# Altium PCB PCB1.PcbDoc
Units mm, origin at the board's own origin, x right, y up, seen from the top; angles counter-clockwise.
Board outline 75.44 x 70.87 mm, 4 copper layers (Top Layer, Int1 (GND), Int2 (PWR), Bottom Layer), stack 1.586 mm thick; 90 components, 79 nets, 310 pads, 55 vias.
Unrouted connection lines stored in the file: 141.
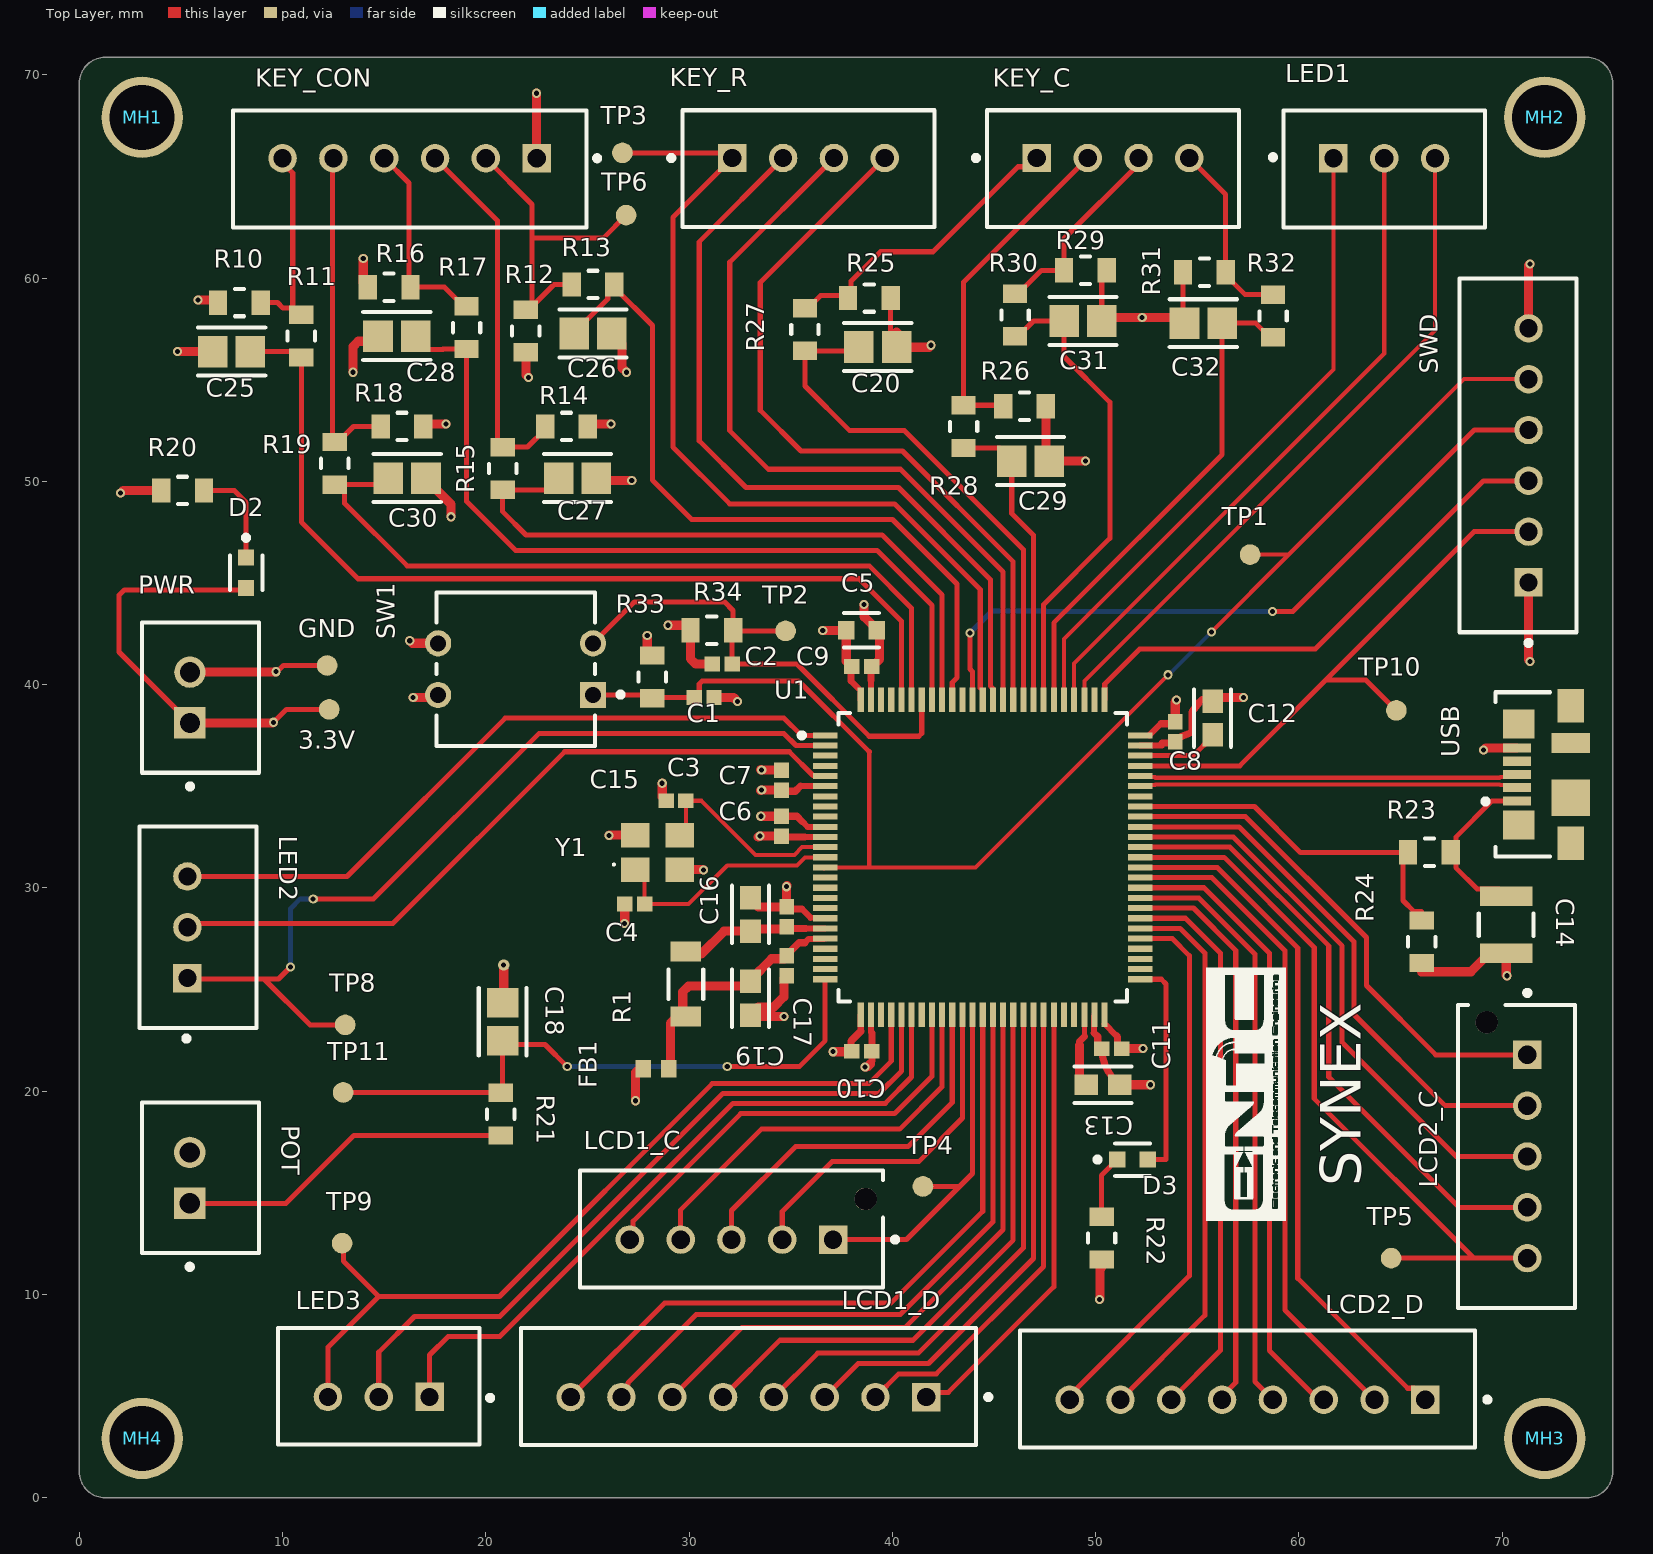
[diagram p0: Top Layer view]
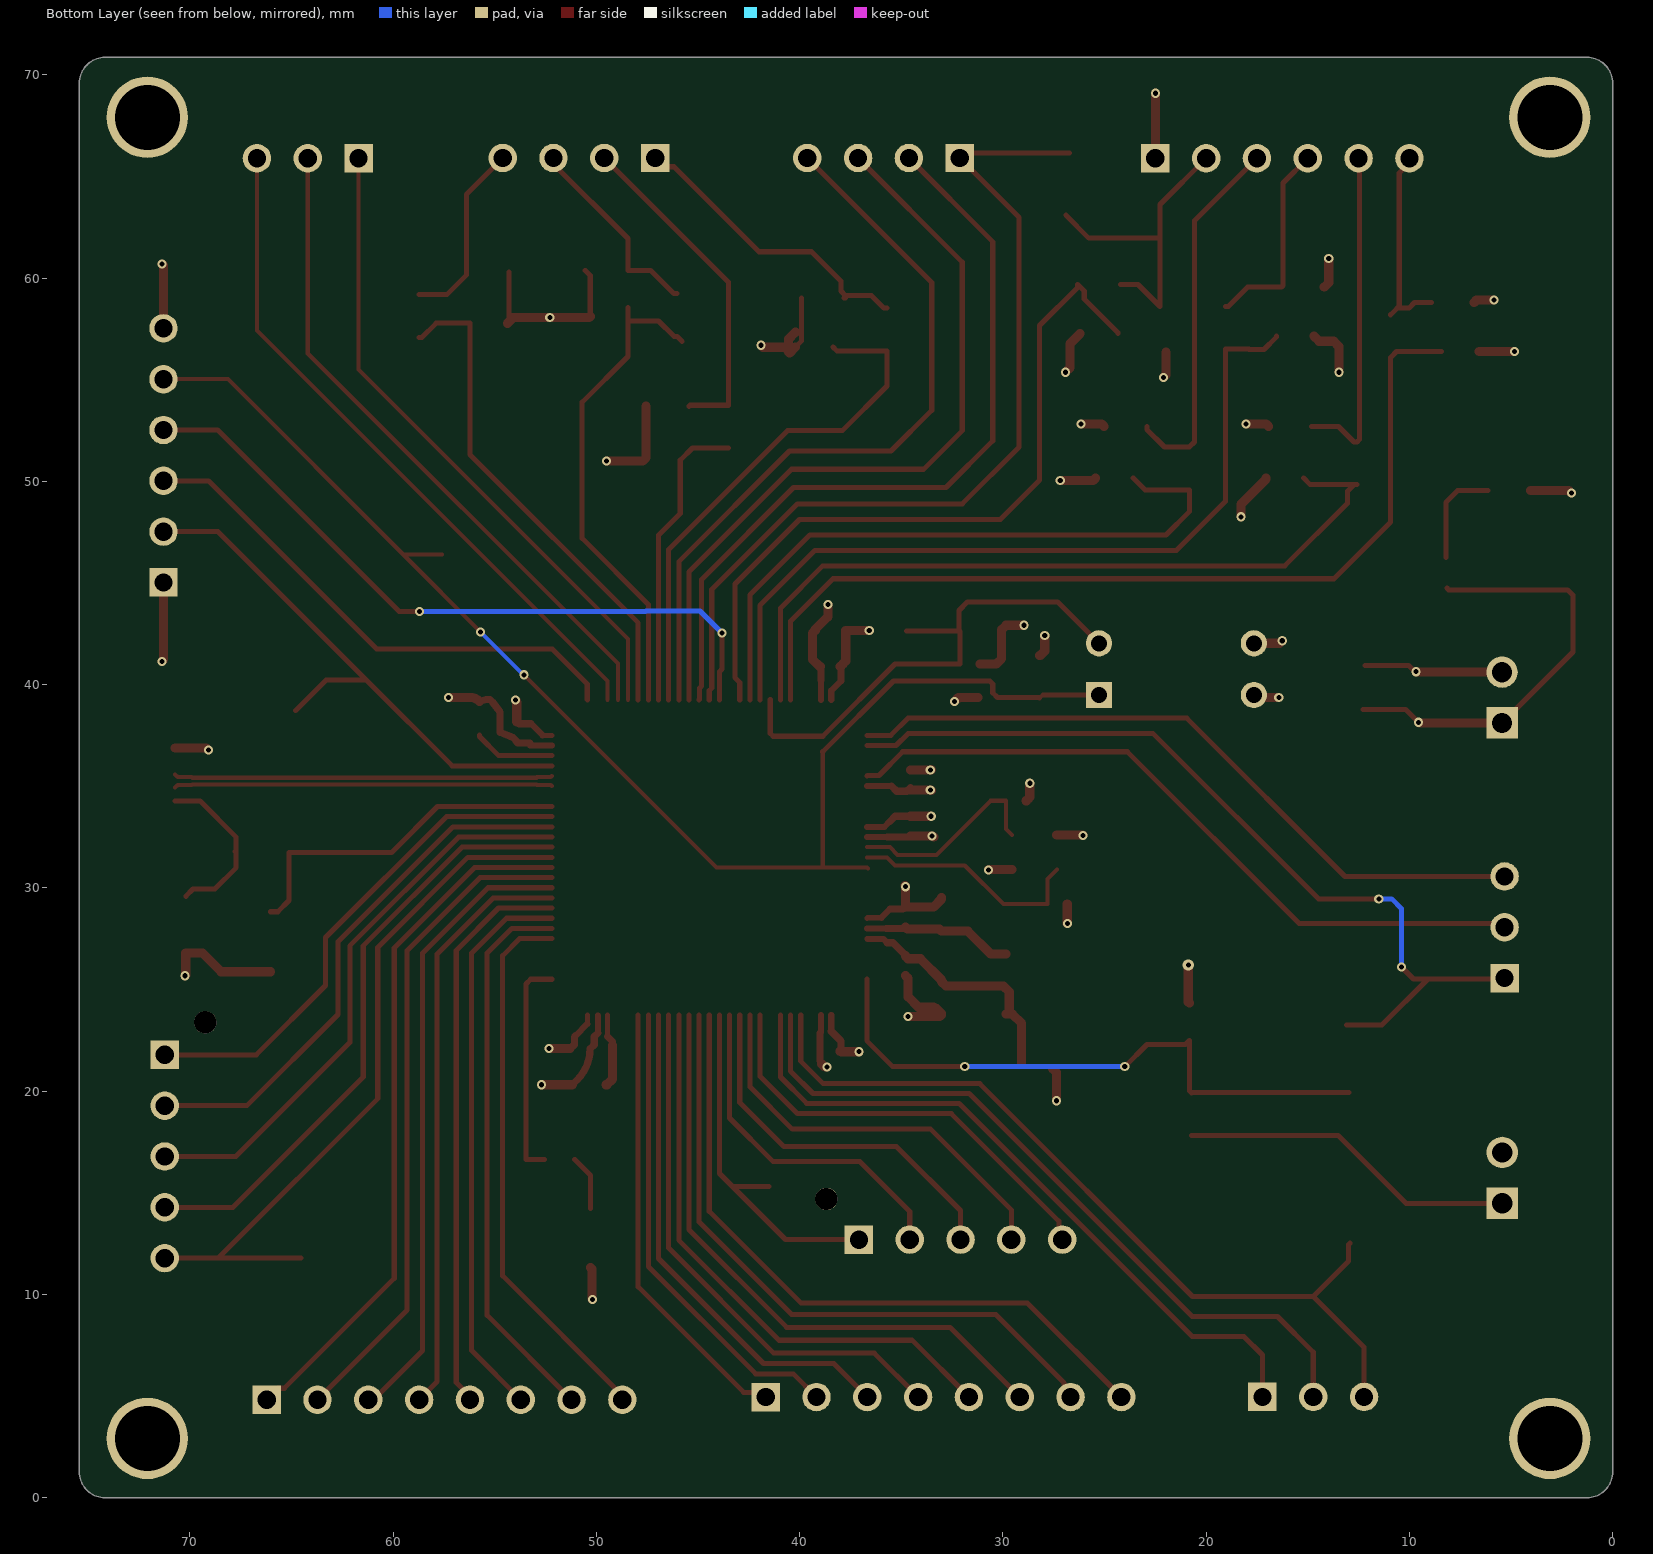
[diagram p1: Bottom Layer view, seen from below]
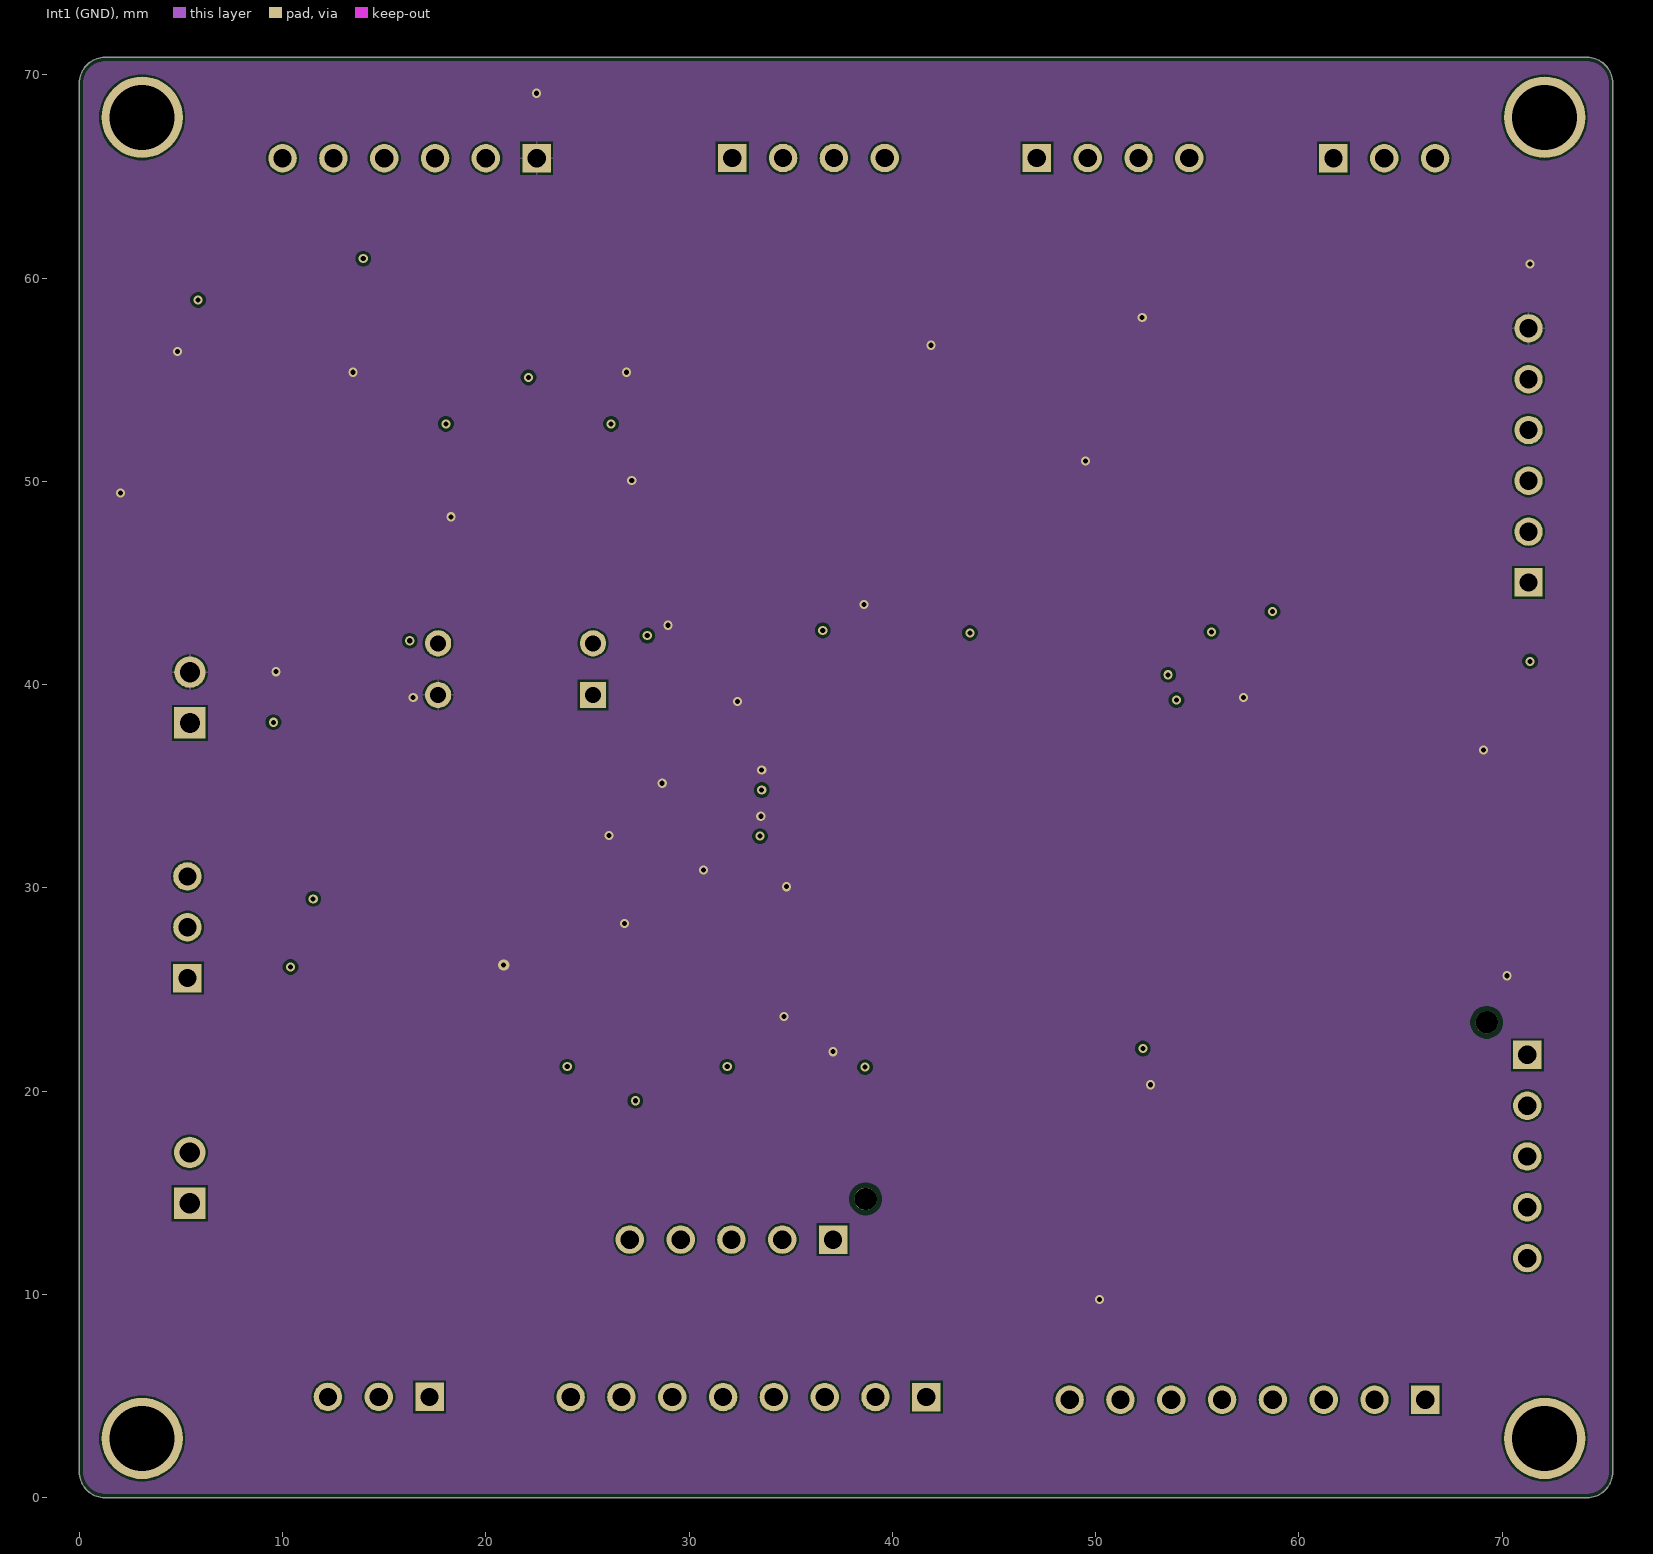
[diagram p2: Int1 (GND)]
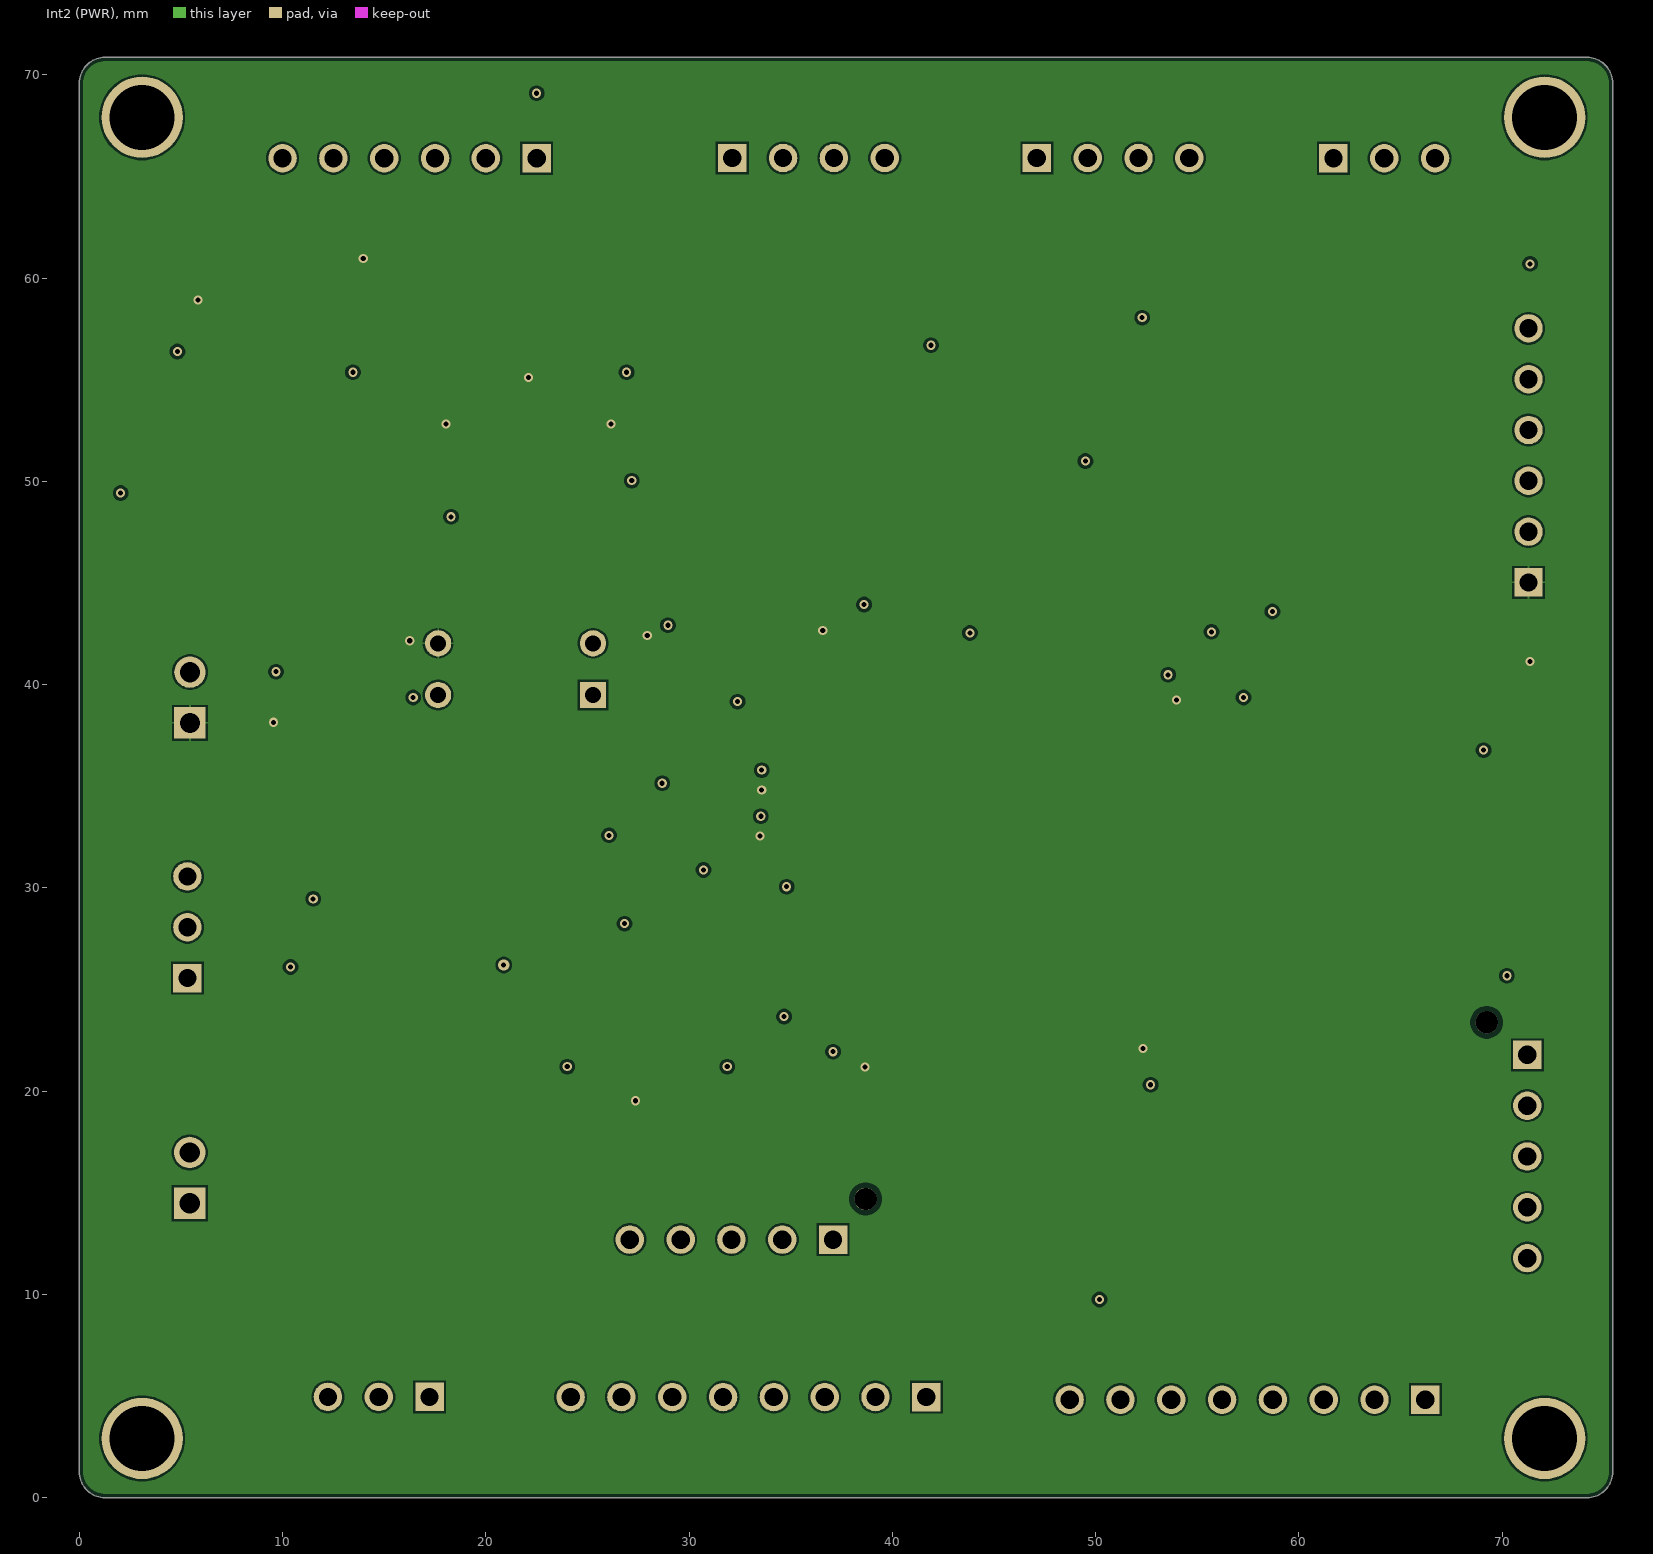
[diagram p3: Int2 (PWR)]
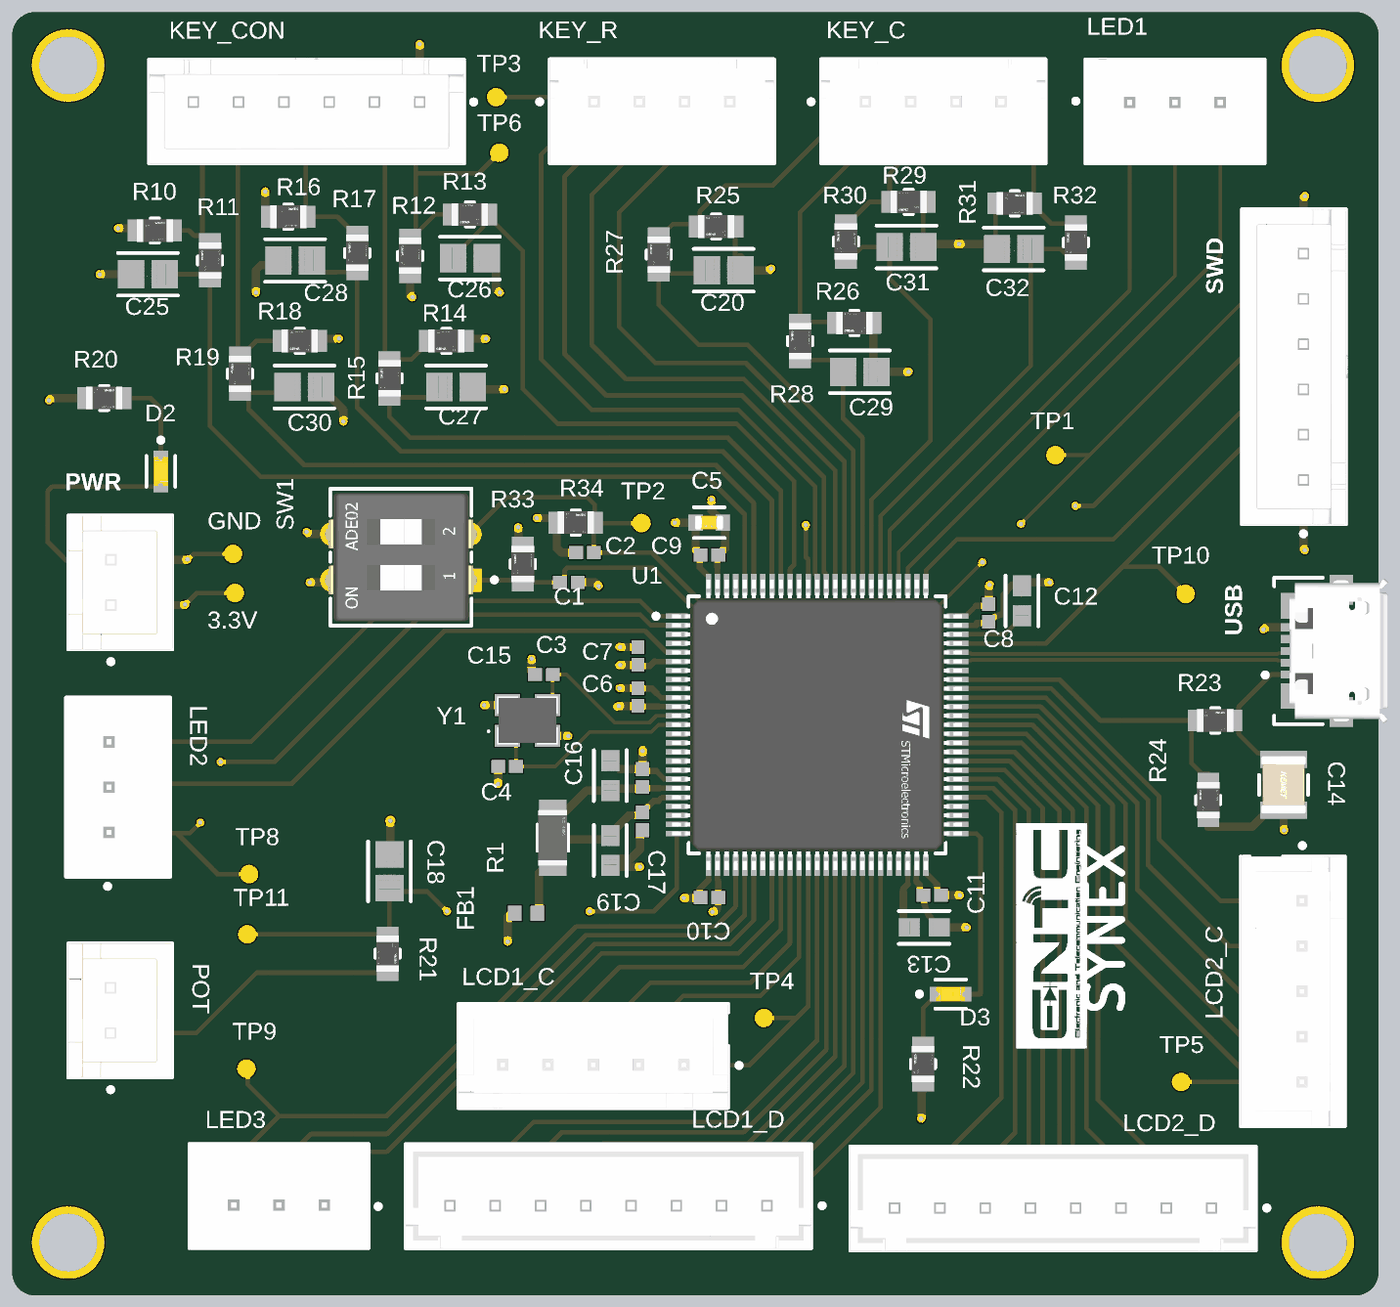
[diagram p4: 3D render of the assembled board from above, using the file's embedded part models]

## Layer stack, top to bottom
Top Solder: solder mask 0.0305, SM-001, Dk 3.8
Top Layer: signal copper 0.035
Dielectric 1: prepreg 0.2104, PP-7628, Dk 4.4
Int1 (GND): signal copper 0.0152
Dielectric 3: core 1.065, Core-039, Dk 4.6
Int2 (PWR): signal copper 0.0152
Dielectric 5: prepreg 0.2104, PP-7628, Dk 4.4
Bottom Layer: signal copper 0.035
Bottom Solder: solder mask 0.0305, SM-001, Dk 3.8

## Board outline
0,1.27 0,69.596 cw(c1.27,69.596) 1.27,70.866 74.168,70.866 cw(c74.168,69.596) 75.438,69.596 75.438,1.27 cw(c74.168,1.27) 74.168,0 1.27,0 cw(c1.27,1.27)

## Design rules (kind name [scope] priority, off if disabled: settings)
AssemblyTestpoint [All] p1: testpointundercomponent=TRUE minsize=2.54 maxsize=2.54 preferedsize=1.524 minholesize=0 maxholesize=1.016 preferedholesize=0 testpointgrid=0.05 usegrid=TRUE gridtolerance=0 allowsidebottom=TRUE minspacing=25
BoardOutlineClearance [All] p1: gap=0.2 ignorepadtopadclearanceinfootprint=FALSE
Clearance [All] p1: gap=0.102 ignorepadtopadclearanceinfootprint=FALSE except(0.127: Arc-Via Track-Via SMDPad-Via THPad-Via Via-Via Via-Fill Via-Poly Via-Region Via-Text; 0.25: Arc-Hole Track-Hole SMDPad-Hole THPad-Hole Via-Hole Fill-Hole Poly-Hole Region-Hole Text-Hole)
ComponentClearance [All] p1: gap=0.102 collisioncheckmode=3 verticalgap=0.102 showdistances=TRUE
DiffPairsRouting [All] p1: maxlimit=0.127 minlimit=0.127 mostfreqgap=0.127 toplayer_minwidth=0.2 toplayer_maxwidth=0.2 toplayer_prefwidth=0.2 midlayer1_minwidth=0.154 midlayer1_maxwidth=0.154 midlayer1_prefwidth=0.154 midlayer2_minwidth=0.154 midlayer2_maxwidth=0.154 midlayer2_prefwidth=0.154 bottomlayer_minwidth=0.2 bottomlayer_maxwidth=0.2 bottomlayer_prefwidth=0.2 impedanceprofiledriven=TRUE impedanceprofileid={82063DBE-4F28-4A8A-9398-9A70FBDED7CD} impedanceprofilevalue=90.000000 maxuncoupledlength=12.7
Height [All] p1: minheight=0 maxheight=1816.048 prefheight=12.7
HoleSize [All] p1: absolutevalues=TRUE maxlimit=6.3 minlimit=0.2 maxpercent=80.000 minpercent=20.000
HoleToHoleClearance [All] p1: gap=0.25 allowstackedmicrovias=FALSE
MinimumAnnularRing [All] p1: minimumring=0.076
MinimumSolderMaskSliver [All] p1: minsoldermaskwidth=0
PlaneClearance [All] p1: clearance=0.102
PlaneConnect PlaneConnectPowerPads [InPadClass('PowerPads')] p1: planeconnectstyle=Direct reliefexpansion=0.508 reliefentries=4 reliefconductorwidth=0.254 reliefairgap=0.254
PlaneConnect [All] p2: pad.planeconnectstyle=Relief pad.reliefexpansion=0.3 pad.reliefentries=4 pad.reliefconductorwidth=0.102 pad.reliefairgap=0.102 via.planeconnectstyle=Direct via.reliefexpansion=0.3 via.reliefentries=4 via.reliefconductorwidth=0.127 via.reliefairgap=0.127
PolygonConnect PolygonConnectPowerPads [All vs (InPadClass('PowerPads'))] p1: connectstyle=Direct reliefconductorwidth=0.254 reliefentries=4 polygonreliefangle="90 Angle" airgapwidth=0.254
PolygonConnect [All] p2: thpad.connectstyle=Relief thpad.reliefconductorwidth=0.102 thpad.reliefentries=4 thpad.polygonreliefangle="90 Angle" thpad.airgapwidth=0.102 smdpad.connectstyle=Relief smdpad.reliefconductorwidth=0.102 smdpad.reliefentries=4 smdpad.polygonreliefangle="90 Angle" smdpad.airgapwidth=0.102 via.connectstyle=Direct via.reliefconductorwidth=0.127 via.reliefentries=4 via.polygonreliefangle="90 Angle" via.airgapwidth=0.127
RoutingVias [All] p1: holewidth=0.25 width=0.45 viastyle="Through Hole" minholewidth=0.2 minwidth=0.45 maxholewidth=6.3 maxwidth=6.55
SilkToSilkClearance [All] p1: silktosilkclearance=0
SilkToSolderMaskClearance [IsPad] p1: minsilkscreentomaskgap=0.102 clearancetoexposedcopper=TRUE
SolderMaskExpansion [All] p1: expansion=0.075 istentingtop=FALSE
SupplyNets "Schematic Supply Nets_2" [InNet('GND')] p1: voltage=0.000
SupplyNets "Schematic Supply Nets_1" [InNet('+5V')] p2: voltage=0.000
SupplyNets "Schematic Supply Nets" [InNet('+3.3V')] p3: voltage=0.000
Width [All] p1: maxlimit=1816.048 minlimit=0.102 preferedwidth=0.25 midlayer1_prefwidth=0.102 midlayer2_prefwidth=0.102 minimp=50.000000 maximp=50.000000 favimp=50.000000
19 further rules are at their usual default settings.

## Classes and differential pairs
component class VisualOutput: LCD1_C LCD1_D LCD2_C LCD2_D LED1 LED2 LED3 TP4 TP5 TP8 TP9
component class Connectivity: C14 R23 R24 SWD TP10 USB
component class Buttons: C20 C25 C26 C27 C28 C29 C30 C31 C32 KEY_C KEY_CON KEY_R R10 R11 R12 R13 R14 R15 R16 R17 R18 R19 R25 R26 R27 R28 R29 R30 R31 R32 TP3 TP6
component class Microcontroller: 3.3V C1 C2 C3 C4 C5 C6 C7 C8 C9 C10 C11 C12 C13 C15 C16 C17 C18 C19 D2 D3 FB1 GND MH1 MH2 MH3 MH4 POT PWR R1 R20 R21 R22 R33 R34 SW1 TP1 TP2 TP11 U1 Y1
differential pair USBD: +USBD_P -USBD_N

## Components (designator, comment, footprint, x,y, rotation, side; value= is the part's Value field where it differs from the comment)
3.3V "TPAD6R" TP06R 12.294,38.786 r90 top
C1 "100nF" CAPC1050X55X23ML05T13 30.734,39.37 r180 top
C2 "100nF" CAPC1050X55X23ML05T13 31.623,41.021 r0 top
C3 "10pF" CAPC1050X55X23ML05T13 29.355,34.29 r180 top
C4 "10pF" CAPC1050X55X23ML05T13 27.323,29.21 r0 top
C5 "4.7uF" FP-CC0603-DA-MFG 38.481,42.672 r0 top value="4.7 uF"
C6 "100nF" CAPC1050X55X23ML05T13 34.544,33.038 r270 top
C7 "100nF" CAPC1050X55X23ML05T13 34.544,35.306 r270 top
C8 "100nF" CAPC1050X55X23ML05T13 53.915,37.686 r90 top
C9 "100nF" CAPC1050X55X23ML05T13 38.499,40.894 r180 top
C10 "100nF" CAPC1050X55X23ML05T13 38.499,21.971 r0 top
C11 "100nF" CAPC1050X55X23ML05T13 50.8,22.098 r0 top
C12 "2.2uF" FP-CL10-IPC_A 55.753,38.354 r90 top
C13 "2.2uF" FP-CL10-IPC_A 50.357,20.32 r0 top
C14 "2.2uF" FP-C1210C225K1RACAUTO-MFG 70.2,28.194 r270 top
C15 "100nF" CAPC1050X55X23ML05T13 34.798,28.575 r270 top
C16 "1uF" FP-CL10-IPC_A 33.02,28.702 r90 top
C17 "100nF" CAPC1050X55X23ML05T13 34.798,26.18 r90 top
C18 "100nF" FP-CL21-IPC_A 20.828,23.419 r90 top
C19 "1uF" FP-CL10-IPC_A 33.02,24.573 r270 top
C20 "100nF" FP-CL21-IPC_A 39.281,56.612 r0 top
C25 "100nF" FP-CL21-IPC_A 7.493,56.388 r180 top
C26 "100nF" FP-CL21-IPC_A 25.273,57.277 r0 top
C27 "100nF" FP-CL21-IPC_A 24.511,50.165 r0 top
C28 "100nF" FP-CL21-IPC_A 15.621,57.15 r180 top
C29 "100nF" FP-CL21-IPC_A 46.8,51 r0 top
C30 "100nF" FP-CL21-IPC_A 16.129,50.165 r0 top
C31 "100nF" FP-CL21-IPC_A 49.374,57.894 r0 top
C32 "100nF" FP-CL21-IPC_A 55.299,57.785 r180 top
D2 "LTST-C191GKT" FP-LTST-C191GKT-MFG 8.204,45.503 r270 top
D3 "LTST-C191GKT" FP-LTST-C191GKT-MFG 51.816,16.637 r0 top
FB1 "" RESC1609X55X30LL10T20 28.372,21.107 r0 top
GND "TPAD6R" TP06R 12.192,40.945 r90 top
KEY_C "B4B-XH-A(LF)(SN)" FP-B4B-XH-A_LF_SN-MFG 50.86,65.388 r180 top
KEY_CON "B6B-XH-A(LF)(SN)" FP-B6B-XH-A_LF_SN-MFG 16.25,65.375 r180 top
KEY_R "B4B-XH-A(LF)(SN)" FP-B4B-XH-A_LF_SN-MFG 35.874,65.388 r180 top
LCD1_C "B5B-XH-AM(LF)(SN)" FP-B5B-XH-AM_LF_SN-MFG 32.084,13.225 r0 top
LCD1_D "B8B-XH-A(LF)(SN)" FP-B8B-XH-A_LF_SN-MFG 32.92,5.478 r0 top
LCD2_C "B5B-XH-AM(LF)(SN)" FP-B5B-XH-AM_LF_SN-MFG 70.714,16.789 r90 top
LCD2_D "B8B-XH-A(LF)(SN)" FP-B8B-XH-A_LF_SN-MFG 57.471,5.351 r0 top
LED1 "B3B-XH-A(LF)(SN)" FP-B3B-XH-A_LF_SN-MFG 64.2,65.375 r0 top
LED2 "B3B-XH-A(LF)(SN)" FP-B3B-XH-A_LF_SN-MFG 5.842,28.067 r90 top
LED3 "B3B-XH-A(LF)(SN)" FP-B3B-XH-A_LF_SN-MFG 14.732,5.486 r180 top
MH1 "PTH" "Copy of PTH-M2D5X5"#1 3.09,67.916 r0 top
MH2 "PTH" "Copy of PTH-M2D5X5"#2 72.09,67.916 r0 top
MH3 "PTH" "Copy of PTH-M2D5X5"#3 72.09,2.916 r0 top
MH4 "PTH" "Copy of PTH-M2D5X5"#4 3.09,2.916 r0 top
POT "B2B-XH-A(LF)(SN)" FP-B2B-XH-A_LF_SN-MFG 5.958,15.737 r90 top